# KiCad board LED_Dimmer.kicad_pcb
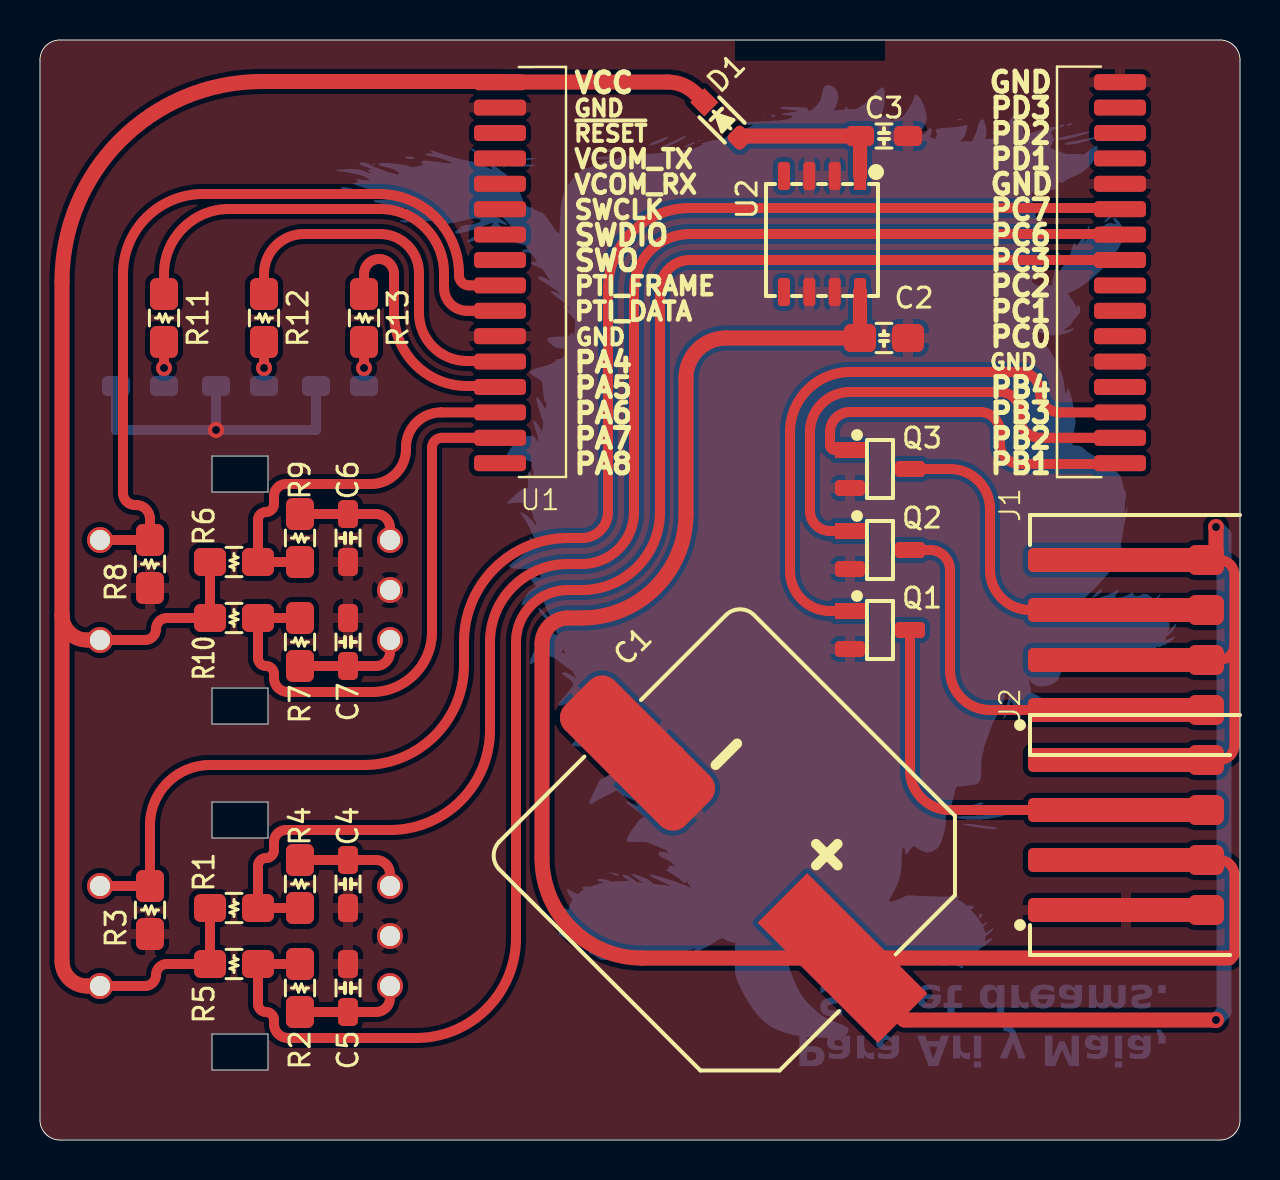
[diagram p0: board, top side]
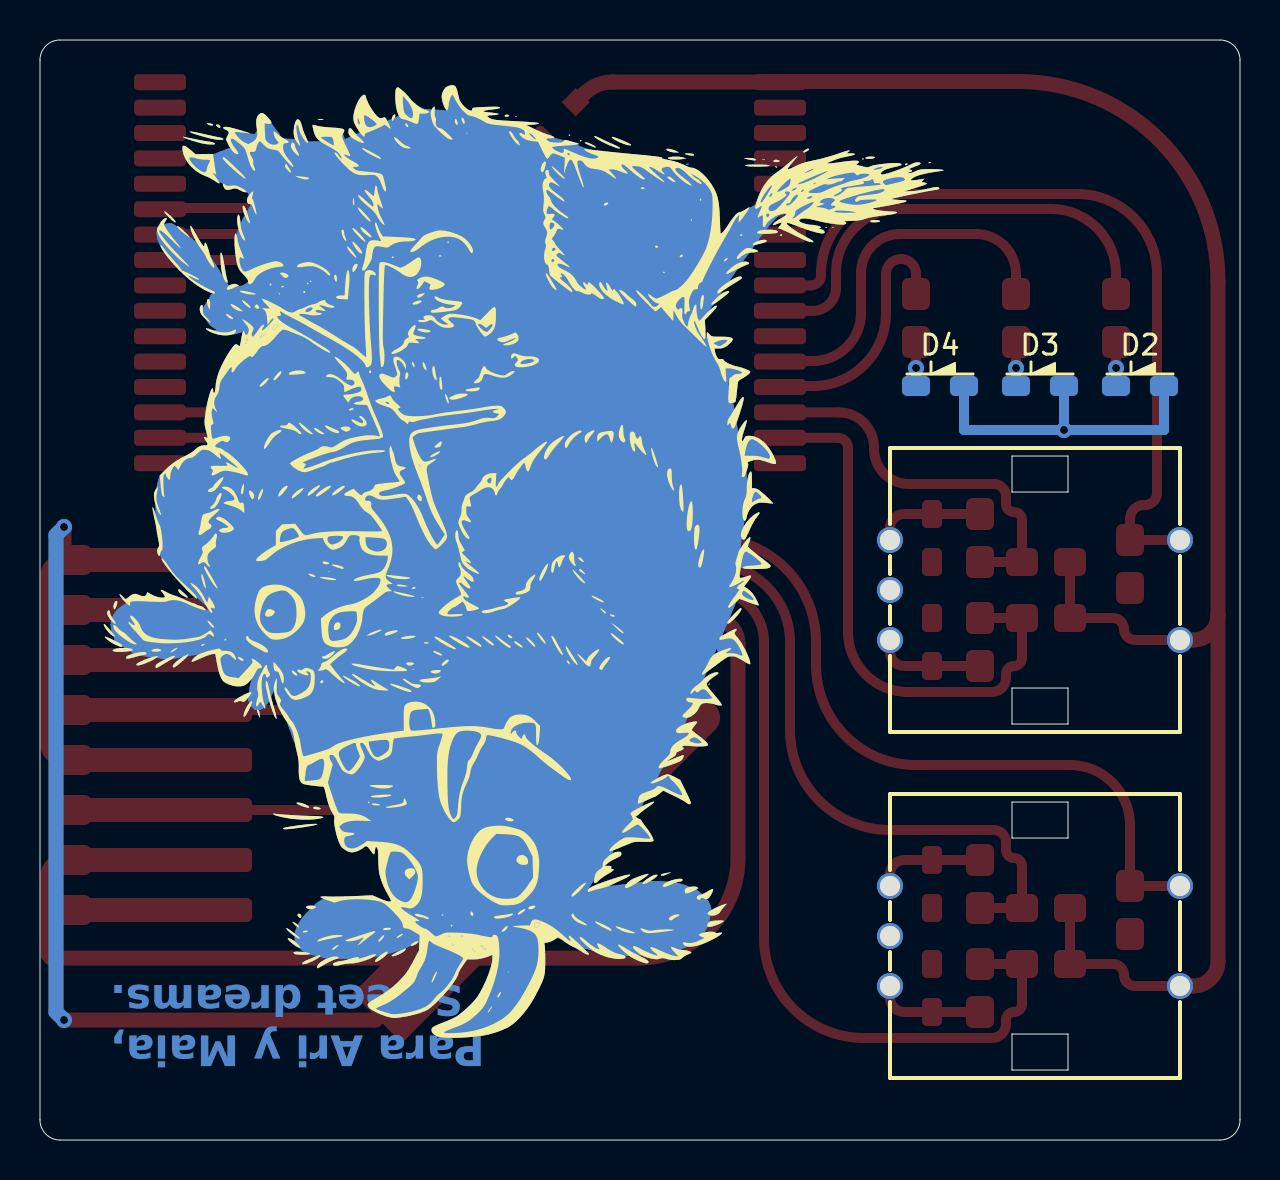
[diagram p1: board, bottom side, seen from below]

Outline 60 x 55 mm; copper layers: Top, Bottom. Coordinates in mm from the lower left corner of the outline.
Outline path: 0,54 arc(0.29,54.71) 1,55 59,55 arc(59.71,54.71) 60,54 60,1 arc(59.71,0.29) 59,0 1,0 arc(0.29,0.29) 0,1 0,54
Stack: Top 0.035mm / dielectric 1.37mm FR4 er 4.5 / Bottom 0.035mm

## Placement (name value [footprint] x y rotation side)
C1  1000μF  [Electrolytic Cap - ⌀16mm, h17mm - SMD - Handsolder]  35 14.22 45 top
C2  330nF  [0805-C_Handsolder]  42.2 40.1 180 top
C3  100nF  [0603-1.6x0.8mm-C_Handsolder]  42.2 50.2 180 top
C4  10nF  [0603-1.6x0.8mm-C_Handsolder]  15.4 12.8 270 top
C5  10nF  [0603-1.6x0.8mm-C_Handsolder]  15.4 7.6 270 top
C6  10nF  [0603-1.6x0.8mm-C_Handsolder]  15.4 30.1 270 top
C7  10nF  [0603-1.6x0.8mm-C_Handsolder]  15.4 24.9 270 top
D1  CUS08F30,H3F  [D_SOD-323_HandSoldering]  34.1 51 315 top
D2  LED_Small  [0603-1.6x0.8mm-LED_Handsolder]  5 37.7 180 bottom
D3  LED_Small  [0603-1.6x0.8mm-LED_Handsolder]  10 37.7 180 bottom
D4  LED_Small  [0603-1.6x0.8mm-LED_Handsolder]  15 37.7 180 bottom
G1  PCB Art  [Gruffalo_Art_42x47mm]  37.2 32.2 0 bottom
J1  Conn_01x04  [Connector - Kyocera - Poke-Home 1x04 – Standard Horizontal 18-26 AWG]  55 25.25 90 top
J2  Conn_01x04  [Connector - Kyocera - Poke-Home 1x04 – Standard Horizontal 18-26 AWG]  55 15.25 90 top
Q1  2N7002K-7  [SOT-23 - NMOS - GDS]  42 25.5 270 top
Q2  2N7002K-7  [SOT-23 - NMOS - GDS]  42 29.5 270 top
Q3  2N7002K-7  [SOT-23 - NMOS - GDS]  42 33.55 270 top
R1  10kΩ  [0805-R_Handsolder]  9.7 11.6 180 top
R2  10kΩ  [0805-R_Handsolder]  13 12.8 90 top
R3  10kΩ  [0805-R_Handsolder]  5.5 11.5 90 top
R4  10kΩ  [0805-R_Handsolder]  13 7.6 270 top
R5  10kΩ  [0805-R_Handsolder]  9.7 8.8 0 top
R6  10kΩ  [0805-R_Handsolder]  9.7 28.9 180 top
R7  10kΩ  [0805-R_Handsolder]  13 30.1 90 top
R8  10kΩ  [0805-R_Handsolder]  5.5 28.8 90 top
R9  10kΩ  [0805-R_Handsolder]  13 24.9 270 top
R10  10kΩ  [0805-R_Handsolder]  9.7 26.1 0 top
R11  R  [0805-R_Handsolder]  6.2 41.1 270 top
R12  R  [0805-R_Handsolder]  11.2 41.1 270 top
R13  R  [0805-R_Handsolder]  16.2 41.1 270 top
SW1  N/A  [Rotary Encoder - PEC11R - ∅11mm]  10 10.2 90 bottom
SW2  N/A  [Rotary Encoder - PEC11R - ∅11mm]  10 27.5 90 bottom
U1  BGM220P  [BGM220P_Header_SMD_Out]  38.5 43.37 0 top
U2  L78L33A  [SO-8 - 6x4.9mm p1.27mm - L78L33A - ST]  39.1 45.3 180 top

## Library data of the parts
C1 = -: Description: Polarized capacitor, small symbol; Comments: Alternative PN 865060663015. Big cap to smooth inrush current on the LED strip. LEDs are 24V, so make sure are rated to at least 2x that.; Digikey PN: 732-8465-1-ND; Farnell PN: 2466347; MPN: 865080663020; Manufacturer: Wurth Electronic; Tolerance: ±20%; Vrating: 50V; ki_fp_filters: CP_*
C2 = -: Description: Unpolarized capacitor, small symbol; Comments: Any X7R, 0805, 50V cap. Farnell is alternative, as only sells Samsung's at 5k units; Digikey PN: 1276-1123-1-ND; Farnell PN: 3369310; MPN: 3369310; Manufacturer: Samsung; Tolerance: X7R; Vrating: 50V; ki_fp_filters: C_*
C3 = -: Description: Unpolarized capacitor, small symbol; Comments: Any X7R, 0603, 10V cap. Farnell MPN is alternative; Digikey PN: 1276-1935-1-ND; Farnell PN: 1362556; MPN: CL10B104KB8NNWC; Manufacturer: Samsung; Tolerance: X7R; Vrating: 50V; ki_fp_filters: C_*
C4-C7 = -: Description: Unpolarized capacitor, small symbol; Comments: Any X7R, 0603, 10V cap.; Digikey PN: 1276-1009-1-ND; Farnell PN: 3013408; MPN: CL10B103KB8NNNC; Manufacturer: Samsung; Tolerance: X7R; Vrating: 50V; ki_fp_filters: C_*
D1 = -: Description: Diode, small symbol; Comments: Any low drop voltage will do. Farnell PN is different part, but equivalent; Digikey PN: CUS08F30H3FCT-ND; Farnell PN: PMEG3005EB; Manufacturer: Toshiba; Sim.Device: D; Sim.Pins: 1=K 2=A; ki_fp_filters: TO-???* *_Diode_* *SingleDiode* D_*
D2-D4 = -: Description: Light emitting diode, small symbol; Sim.Pin: 1=K 2=A; ki_fp_filters: LED* LED_SMD:* LED_THT:*
G1 = -: Description: Gruffalo PCB Art; Digikey PN: -; Farnell PN: -; MPN: -; Manufacturer: -
J1 J2 = -: Description: Generic connector, single row, 01x04, script generated (kicad-library-utils/schlib/autogen/connector/); Comments: Poke-Home Wire To Board Connector, 18-26AWG, 4 Ways; Digikey PN: 478-009276004021906CT-ND; Farnell PN: 4243865; MPN: 9276004021906; Manufacturer: Kyocera; Vrating: 300V / 6A; ki_fp_filters: Connector*:*_1x??_*
Q1-Q3 = -: Description: N-MOSFET transistor, gate/drain/source; Comments: An NMOS with relatively low Rds on, that can confortably siwtch at 3V3 and handle switching 150mA@24V. The 2N7002 is cheap and cheerful and available from multiple manuf.; Digikey PN: 2N7002K-7DICT-ND; Farnell PN: 1713825; Manufacturer: Diodes Inc.
R1-R10 = -: Description: Resistor, small symbol; Comments: Any 10kΩ. Why are you buying these? You should have some somewhere in a box; Digikey PN: 311-10KARCT-ND; Farnell PN: 2073612; MPN: RC0805JR-0710KL; Manufacturer: Yageo; ki_fp_filters: R_*
R11-R13 = -: Description: Resistor; ki_fp_filters: R_*
SW1 SW2 = -: Description: Rotary encoder, dual channel, incremental quadrate outputs, with switch; Comments: Any PEC11R-4XYYF-SZZZZ will do, but consider shaft size to fit case; Digikey PN: PEC11R-4115F-S0018-ND; Farnell PN: 2474846; MPN: PEC11R-4115F-S0018; Manufacturer: Bourns; ki_fp_filters: RotaryEncoder*Switch*
U1 = -: Datasheet: https://www.silabs.com/documents/public/data-sheets/bgm220p-datasheet.pdf; Digikey PN: 336-BGM220PC22WGA2-ND; Farnell PN: 3534710; MPN: BGM220PC22WGA; Manufacturer: Silabs
U2 = -: Datasheet: https://www.st.com/resource/en/datasheet/l78l.pdf; Digikey PN: 497-7285-1-ND; Farnell PN: 1564317; MPN: L78L33ABD; Manufacturer: ST

## Footprints (pads in the part's own frame, mm; a bottom-side part is the same pattern mirrored in y, then rotated)
0603-1.6x0.8mm-C_Handsolder
  rrect 1.4x1 smd: 1(1.2,0) 2(-1.2,0)
0603-1.6x0.8mm-LED_Handsolder
  rrect 1.4x1 smd: 1(1.2,0) 2(-1.2,0)
0805-C_Handsolder
  rrect 1.6x1.4 smd: 1(-1.2,0) 2(1.2,0)
0805-R_Handsolder
  rrect 1.6x1.4 smd: 1(-1.2,0) 2(1.2,0)
BGM220P_Header_SMD_Out
  rrect 2.6x0.8 smd: 1(15.5,9.52) 2(15.5,-5.72) 3(15.5,-6.99) 4(15.5,-8.26) 5(15.5,-9.53) 6(-15.5,4.44) 7(-15.5,5.71) 8(-15.5,3.17) 9(-15.5,1.9) 10(-15.5,0.63) 11(-15.5,-4.45) 12(-15.5,-3.18) 13(-15.5,9.52) 14(-15.5,-5.72) 15(-15.5,-6.99) 16(-15.5,-8.26) 17(-15.5,-9.53) 18(15.5,8.25) 19(15.5,6.98) 20(15.5,-4.45) 21(15.5,5.71) 22(15.5,-3.18) 23(15.5,-1.91) 24(15.5,-0.64) 25(15.5,0.63) 26(-15.5,-1.91) 27(-15.5,-0.64) 28(15.5,1.9) 29(15.5,3.17) 30(-15.5,6.98) 31(-15.5,8.25) 31(15.5,4.44)
Connector - Kyocera - Poke-Home 1x04 – Standard Horizontal 18-26 AWG
  custom 1.5x9.8 smd: 1(-3.75,-3.3) 2(-1.25,-3.3) 3(1.25,-3.3) 4(3.75,-3.3)
D_SOD-323_HandSoldering
  rect 1x1 smd: 1(-1.25,0)
  rrect 1x1 smd: 2(1.25,0)
Electrolytic Cap - ⌀16mm, h17mm - SMD - Handsolder
  rect 3.5x8.5 smd: 1(0,-7.25)
  rrect 3.5x8.5 smd: 2(0,7.25)
Rotary Encoder - PEC11R - ∅11mm
  round 1.3 hole 1: A(-2.5,7.5) B(2.5,7.5) C(0,7.5) S1(-2.5,-7) S2(2.5,-7)
SO-8 - 6x4.9mm p1.27mm - L78L33A - ST
  rect 0.6x1.4 smd: 1(-1.905,-2.9)
  rrect 0.6x1.4 smd: 2(-0.635,-2.9) 3(0.635,-2.9) 4(1.905,-2.9) 5(1.905,2.9) 6(0.635,2.9) 7(-0.635,2.9) 8(-1.905,2.9)
SOT-23 - NMOS - GDS
  rect 0.8x1.5 smd: 1(-0.95,-1.5)
  rrect 0.8x1.5 smd: 2(0,1.5) 3(0.95,-1.5)

## Nets
+24V: C1.1 C2.2 J1.2 J1.4 J2.2 J2.4 U2.8
GND: C1.2 C2.1 C3.2 C4.1 C5.2 C6.1 C7.2 D2.1 D3.1 D4.1 J2.1 Q1.3 Q2.3 Q3.3 R3.1 R8.1 SW1.C SW2.C U1.1 U1.12 U1.20 U1.31 U2.2 U2.3 U2.6 U2.7
VCC: D1.1 R1.2 R5.1 R6.2 R10.1 SW1.S1 SW2.S1 U1.13
BTN0: R3.2 SW1.S2 U1.29
BTN1: R8.2 SW2.S2 U1.27
ENC0_A: R1.1 R2.1 U1.28
ENC0_B: R4.1 R5.2 U1.25
ENC1_A: R6.1 R7.1 U1.15
ENC1_B: R9.1 R10.2 U1.16
LED0: J2.3 Q1.2
LED1: J1.1 Q2.2
LED2: J1.3 Q3.2
LED3: R11.1 U1.26
LED4: R12.1 U1.11
LED5: R13.1 U1.14
PWM0: Q1.1 U1.3
PWM1: Q2.1 U1.4
PWM2: Q3.1 U1.5
Net-(C4-Pad2): C4.2 R2.2 SW1.B
Net-(C5-Pad1): C5.1 R4.2 SW1.A
Net-(C6-Pad2): C6.2 R7.2 SW2.B
Net-(C7-Pad1): C7.1 R9.2 SW2.A
Net-(D1-A): C3.1 D1.2 U2.1
Net-(D2-A): D2.2 R11.2
Net-(D3-A): D3.2 R12.2
Net-(D4-A): D4.2 R13.2

Pads without a net: U1 2 6 7 8 9 10 17 18 19 21 22 23 24 30; U2 4 5

## Via types
v1: diameter 0.8, hole 0.4, Top to Bottom, 6 vias

## Routing (per net, layer and track width the routed paths; a pad name or vN(x,y) marks a point on that pad's centre or on a via; arc(x,y) is an arc through that point)
+24V: length 145.8
  Top w0.5: J2.2 58.97,14 arc(59.5,13.78) 59.72,13.25 59.72,9.3 arc(59.67,9.15) 59.52,9.1 59.45,9.1 59.45,9.1 ; J1.2 58.97,24 arc(59.5,24.22) 59.72,24.75 ; J2.4 58.97,19 arc(59.5,19.22) 59.72,19.75 59.72,24.75 ; 59.72,24.75 59.72,28.25 arc(59.5,28.78) 58.97,29 J1.4 58.7,29
  Top w0.7: U2.8 41,42.39 C2.2
  Top w0.75: v1(58.8,30.65) 58.8,29 J1.4 ; C2.2 34.3,40.1 arc(32.89,39.51) 32.3,38.1 32.3,31.3 arc(30.78,27.62) 27.1,26.1 26.4,26.1 arc(25.48,25.72) 25.1,24.8 25.1,14.1 arc(26.56,10.56) 30.1,9.1 C1.1 43.22,6 v1(58.8,6) ; 59.45,9.1 39.85,9.1
  Bottom w0.75: v1(58.8,30.65) 59.2,30.25 59.2,6.4 v1(58.8,6)
GND: length 20.5
  Top w0.25: C1.2 29.87,17.43
  Top w0.75: 31.85,19.35 C1.2
  Bottom w0.5: v1(8.8,35.5) 13.8,35.5 D4.1 ; v1(8.8,35.5) 3.8,35.5 D2.1 ; v1(8.8,35.5) D3.1
VCC: length 95.2
  Top w0.5: SW1.S1 5.25,7.7 arc(5.64,7.86) 5.8,8.25 arc(5.96,8.64) 6.35,8.8 R5.1 R1.2 ; R6.2 R10.1 6.35,26.1 arc(5.96,25.94) 5.8,25.55 arc(5.64,25.16) 5.25,25 SW2.S1
  Top w0.75: 1.1,26.25 1.1,42.92 arc(4.03,50) 11.1,52.92 23,52.92 23.03,52.9 31.37,52.9 arc(32.14,52.75) 32.79,52.31 D1.1 ; 1.1,26.25 1.1,8.95 arc(1.47,8.07) 2.35,7.7 SW1.S1 ; 1.1,26.25 arc(1.47,25.37) 2.35,25 SW2.S1
BTN0: length 77
  Top w0.5: U1.29 54,46.6 32.5,46.6 arc(29.6,45.4) 28.4,42.5 28.4,31.4 arc(28.02,30.48) 27.1,30.1 26.4,30.1 arc(22.72,28.58) 21.2,24.9 21.2,23.75 arc(19.74,20.21) 16.2,18.75 8.5,18.75 arc(6.38,17.87) 5.5,15.75 R3.2 SW1.S2
BTN1: length 40.4
  Top w0.5: SW2.S2 R8.2 5.5,31.05 arc(5.29,31.54) 4.8,31.75 4.75,31.75 arc(4.33,31.93) 4.15,32.35 4.15,43.3 arc(5.32,46.13) 8.15,47.3 16.95,47.3 arc(19.78,46.13) 20.95,43.3 20.95,43.23 arc(21.1,42.88) 21.45,42.73 U1.27
ENC0_A: length 72.2
  Top w0.5: U1.28 54,45.3 32.5,45.3 arc(30.52,44.48) 29.7,42.5 29.7,31.4 arc(28.94,29.56) 27.1,28.8 26.4,28.8 arc(23.64,27.66) 22.5,24.9 22.5,20.5 arc(21.04,16.96) 17.5,15.5 12.3,15.5 arc(11.88,15.32) 11.7,14.9 11.7,14.5 arc(11.58,14.22) 11.3,14.1 arc(11.02,13.98) 10.9,13.7 R1.1 R2.1
ENC0_B: length 81.6
  Top w0.5: R4.1 R5.2 10.9,6.8 arc(11.02,6.52) 11.3,6.4 arc(11.58,6.28) 11.7,6 11.7,5.8 arc(11.91,5.31) 12.4,5.1 18.8,5.1 arc(22.34,6.56) 23.8,10.1 23.8,24.9 arc(24.56,26.74) 26.4,27.5 27.1,27.5 arc(29.86,28.64) 31,31.4 31,42.5 arc(31.44,43.56) 32.5,44 U1.25
ENC1_A: length 19.6
  Top w0.5: R7.1 R6.1 10.9,31 arc(11.02,31.28) 11.3,31.4 arc(11.58,31.52) 11.7,31.8 11.7,32.2 arc(11.88,32.62) 12.3,32.8 16.55,32.8 arc(17.79,33.31) 18.3,34.55 18.3,34.63 arc(18.81,35.87) 20.05,36.38 U1.15
ENC1_B: length 28.5
  Top w0.5: R9.1 R10.2 10.9,24.1 arc(11.02,23.82) 11.3,23.7 arc(11.58,23.58) 11.7,23.3 11.7,23.1 arc(11.91,22.61) 12.4,22.4 16.6,22.4 arc(18.72,23.28) 19.6,25.4 19.6,34.61 arc(19.75,34.96) 20.1,35.11 U1.16
LED0: length 22.9
  Top w0.5: Q1.2 43.5,18.5 arc(44.09,17.09) 45.5,16.5 J2.3
LED1: length 21.5
  Top w0.5: J1.1 47.5,21.5 arc(46.09,22.09) 45.5,23.5 45.5,28.5 arc(45.21,29.21) 44.5,29.5 Q2.2
LED2: length 20.1
  Top w0.5: Q3.2 45.5,33.55 arc(46.91,32.96) 47.5,31.55 47.5,28.5 arc(48.09,27.09) 49.5,26.5 J1.3
LED3: length 22.9
  Top w0.5: 22.97,41.5 U1.26 21.35,41.46 arc(20.54,41.8) 20.2,42.61 20.2,43.35 arc(19.26,45.61) 17,46.55 9.45,46.55 arc(7.15,45.6) 6.2,43.3 R11.1
LED4: length 18.5
  Top w0.5: R12.1 11.2,43.3 arc(11.79,44.71) 13.2,45.3 17,45.3 arc(18.38,44.73) 18.95,43.35 18.95,41.35 arc(19.65,39.65) 21.35,38.95 23,38.95 U1.11
LED5: length 12.7
  Top w0.5: U1.14 23,37.7 21.35,37.7 arc(18.77,38.77) 17.7,41.35 17.7,43.3 arc(17.48,43.83) 16.95,44.05 arc(16.42,43.83) 16.2,43.3 R13.1
PWM0: length 30.5
  Top w0.5: U1.3 51,36.38 arc(50.29,36.67) 50,37.38 50,37.4 arc(49.71,38.11) 49,38.4 40.5,38.4 arc(38.38,37.52) 37.5,35.4 37.5,28.45 arc(38.09,27.04) 39.5,26.45 Q1.1
PWM1: length 24.6
  Top w0.5: Q2.1 39.5,30.45 arc(38.79,30.74) 38.5,31.45 38.5,35.4 arc(39.09,36.81) 40.5,37.4 48,37.4 arc(48.71,37.11) 49,36.4 49,36.11 arc(49.29,35.4) 50,35.11 U1.4
PWM2: length 18.6
  Top w0.5: U1.5 54,33.8 49,33.8 arc(48.29,34.09) 48,34.8 48,35.4 arc(47.71,36.11) 47,36.4 40.5,36.4 arc(39.79,36.11) 39.5,35.4 39.5,34.75 arc(39.57,34.57) 39.75,34.5 Q3.1
Net-(C4-Pad2): length 5.5
  Top w0.5: SW1.B 17.5,13.3 arc(17.29,13.79) 16.8,14 C4.2 R2.2
Net-(C5-Pad1): length 5.5
  Top w0.5: R4.2 C5.1 16.8,6.4 arc(17.29,6.61) 17.5,7.1 SW1.A
Net-(C6-Pad2): length 5.5
  Top w0.5: R7.2 C6.2 16.8,31.3 arc(17.29,31.09) 17.5,30.6 SW2.B
Net-(C7-Pad1): length 5.5
  Top w0.5: SW2.A 17.5,24.4 arc(17.29,23.91) 16.8,23.7 C7.1 R9.2
Net-(D1-A): length 8.1
  Top w0.7: U2.1 41,50.19
  Top w0.75: D1.2 35.07,50.2 C3.1 41,50.19
Net-(D2-A): length 2.2
  Top w0.5: v1(6.2,38.6) R11.2
  Bottom w0.5: D2.2 v1(6.2,38.6)
Net-(D3-A): length 2.2
  Top w0.5: R12.2 v1(11.2,38.6)
  Bottom w0.5: D3.2 v1(11.2,38.6)
Net-(D4-A): length 2.2
  Top w0.5: v1(16.2,38.6) R13.2
  Bottom w0.5: D4.2 v1(16.2,38.6)
unconnected-(U1D-PC0-Pad22): length 0
  Top w0.5: 54,40.22 53.98,40.2
unconnected-(U1D-PC1-Pad23): length 0
  Top w0.5: 54,41.49 54,41.5

## Copper pours and planes (outline as drawn; the poured copper is in the pictures)
GND on Top: 0,55 60,55 60,0 0,0

## Text on the board
Bottom: Para Ari y Maia, / Sweet dreams.
B.Mask: Para Ari y Maia, / Sweet dreams.
B.Paste: Layer Intentionally / left empty
User.Eco1: PCB3D_TL_BOARD | PCB3D_BR_BOARD
